# KiCad board driver.kicad_pcb (continued)
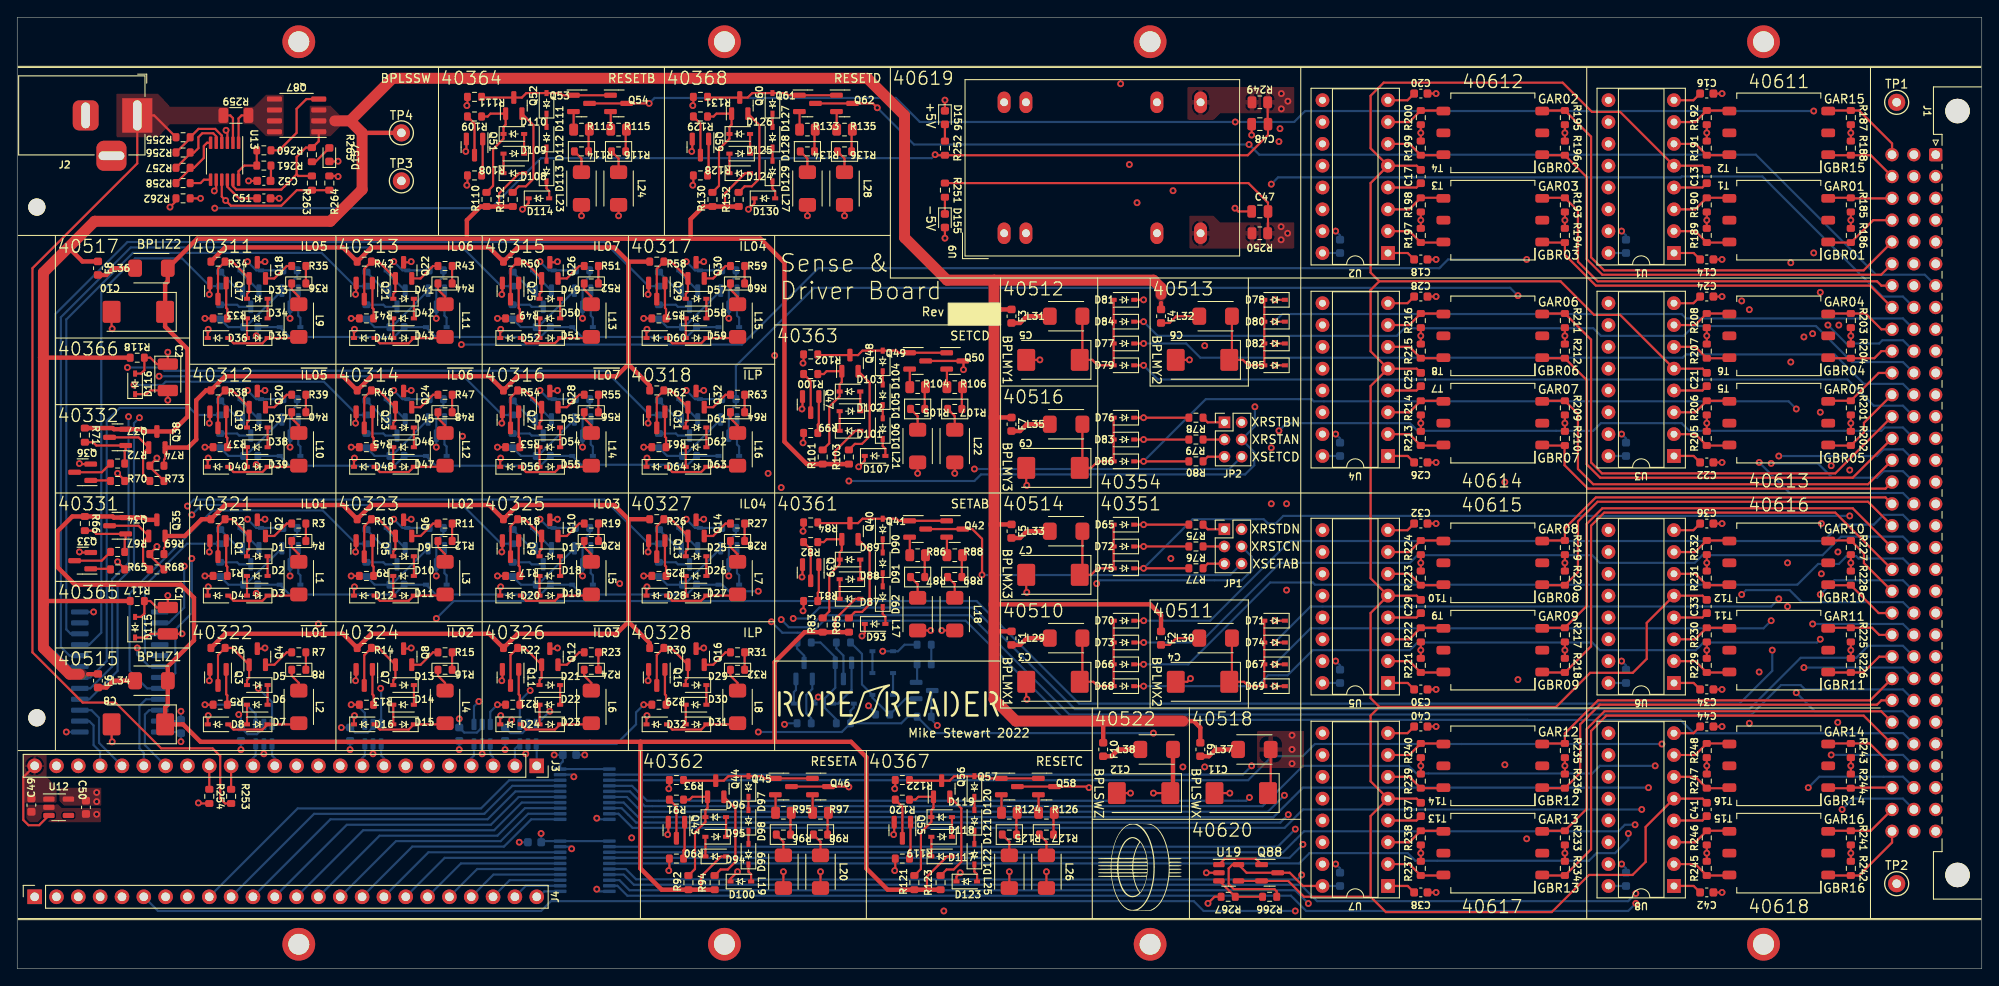
[diagram p0: board, top side]
## Placement (name value [footprint] x y rotation side) (continued)
R39  4.7  [R_0603_1608Metric]  32.77 66.8 0 top
R40  1.8  [R_0603_1608Metric]  32.77 64.77 180 top
R41  1k  [R_0603_1608Metric]  40.64 75.69 180 top
R42  390  [R_0603_1608Metric]  40.39 82.3 0 top
R43  4.7  [R_0603_1608Metric]  49.78 81.79 0 top
R44  1.8  [R_0603_1608Metric]  49.78 79.76 180 top
R45  1k  [R_0603_1608Metric]  40.64 60.71 180 top
R46  390  [R_0603_1608Metric]  40.39 67.31 0 top
R47  4.7  [R_0603_1608Metric]  49.78 66.8 0 top
R48  1.8  [R_0603_1608Metric]  49.78 64.77 180 top
R49  1k  [R_0603_1608Metric]  57.66 75.69 180 top
R50  390  [R_0603_1608Metric]  57.4 82.3 0 top
R51  4.7  [R_0603_1608Metric]  66.8 81.79 0 top
R52  1.8  [R_0603_1608Metric]  66.8 79.76 180 top
R53  1k  [R_0603_1608Metric]  57.66 60.71 180 top
R54  390  [R_0603_1608Metric]  57.4 67.31 0 top
R55  4.7  [R_0603_1608Metric]  66.8 66.8 0 top
R56  1.8  [R_0603_1608Metric]  66.8 64.77 180 top
R57  1k  [R_0603_1608Metric]  74.68 75.69 180 top
R58  390  [R_0603_1608Metric]  74.42 82.3 0 top
R59  4.7  [R_0603_1608Metric]  83.82 81.79 0 top
R60  1.8  [R_0603_1608Metric]  83.82 79.76 180 top
R61  1k  [R_0603_1608Metric]  74.68 60.71 180 top
R62  390  [R_0603_1608Metric]  74.42 67.31 0 top
R63  4.7  [R_0603_1608Metric]  83.82 66.8 0 top
R64  1.8  [R_0603_1608Metric]  83.82 64.77 180 top
R65  1k  [R_0603_1608Metric]  11.68 46.48 0 top
R66  470  [R_0603_1608Metric]  7.87 51.82 270 top
R67  2k  [R_0603_1608Metric]  11.68 48.51 180 top
R68  750  [R_0603_1608Metric]  16.26 46.48 0 top
R69  2k  [R_0603_1608Metric]  16.26 48.26 180 top
R70  1k  [R_0603_1608Metric]  11.68 56.77 0 top
R71  470  [R_0603_1608Metric]  7.87 62.1 270 top
R72  2k  [R_0603_1608Metric]  11.68 58.8 180 top
R73  750  [R_0603_1608Metric]  16.26 56.77 0 top
R74  2k  [R_0603_1608Metric]  16.26 58.55 180 top
R75  200  [R_0603_1608Metric]  137.16 51.69 180 top
R76  200  [R_0603_1608Metric]  137.16 49.15 180 top
R77  200  [R_0603_1608Metric]  137.16 46.61 180 top
R78  200  [R_0603_1608Metric]  137.16 64.14 180 top
R79  200  [R_0603_1608Metric]  137.16 61.59 180 top
R80  200  [R_0603_1608Metric]  137.16 59.06 180 top
R81  1k  [R_0603_1608Metric]  92.33 42.8 180 top
R82  1k  [R_0603_1608Metric]  92.33 49.66 180 top
R83  5.1k  [R_0603_1608Metric]  93.73 40.01 90 top
R84  5.1k  [R_0603_1608Metric]  92.33 51.94 180 top
R85  27  [R_0603_1608Metric]  96.77 40.01 90 top
R86  9.1  [R_0805_2012Metric]  104.78 48.13 0 top
R87  1.5  [R_0603_1608Metric]  104.78 45.59 180 top
R88  9.1  [R_0805_2012Metric]  109.09 48.13 0 top
R89  1.5  [R_0603_1608Metric]  109.09 45.59 180 top
R90  1k  [R_0603_1608Metric]  76.71 12.83 180 top
R91  1k  [R_0603_1608Metric]  76.71 19.69 180 top
R92  5.1k  [R_0603_1608Metric]  78.1 10.03 90 top
R93  5.1k  [R_0603_1608Metric]  76.71 21.97 180 top
R94  27  [R_0603_1608Metric]  81.15 10.03 90 top
R95  9.1  [R_0805_2012Metric]  89.15 18.16 0 top
R96  1.5  [R_0603_1608Metric]  89.15 15.62 180 top
R97  9.1  [R_0805_2012Metric]  93.47 18.16 0 top
R98  1.5  [R_0603_1608Metric]  93.47 15.62 180 top
R99  1k  [R_0603_1608Metric]  92.33 62.36 180 top
R100  1k  [R_0603_1608Metric]  92.33 69.22 180 top
R101  5.1k  [R_0603_1608Metric]  93.73 59.56 90 top
R102  5.1k  [R_0603_1608Metric]  92.33 71.5 180 top
R103  27  [R_0603_1608Metric]  96.77 59.56 90 top
R104  9.1  [R_0805_2012Metric]  104.78 67.69 0 top
R105  1.5  [R_0603_1608Metric]  104.78 65.15 180 top
R106  9.1  [R_0805_2012Metric]  109.09 67.69 0 top
R107  1.5  [R_0603_1608Metric]  109.09 65.15 180 top
R108  1k  [R_0603_1608Metric]  53.21 92.33 180 top
R109  1k  [R_0603_1608Metric]  53.21 99.19 180 top
R110  5.1k  [R_0603_1608Metric]  54.61 89.53 90 top
R111  5.1k  [R_0603_1608Metric]  53.21 101.47 180 top
R112  27  [R_0603_1608Metric]  57.66 89.53 90 top
R113  9.1  [R_0805_2012Metric]  65.66 97.66 0 top
R114  1.5  [R_0603_1608Metric]  65.66 95.12 180 top
R115  9.1  [R_0805_2012Metric]  69.98 97.66 0 top
R116  1.5  [R_0603_1608Metric]  69.98 95.12 180 top
R117  3k  [R_0603_1608Metric]  13.97 42.8 180 top
R118  3k  [R_0603_1608Metric]  13.97 71.12 180 top
R119  1k  [R_0603_1608Metric]  103 12.83 180 top
R120  1k  [R_0603_1608Metric]  103 19.69 180 top
R121  5.1k  [R_0603_1608Metric]  104.39 10.03 90 top
R122  5.1k  [R_0603_1608Metric]  103 21.97 180 top
R123  27  [R_0603_1608Metric]  107.44 10.03 90 top
R124  9.1  [R_0805_2012Metric]  115.44 18.16 0 top
R125  1.5  [R_0603_1608Metric]  115.44 15.62 180 top
R126  9.1  [R_0805_2012Metric]  119.76 18.16 0 top
R127  1.5  [R_0603_1608Metric]  119.76 15.62 180 top
R128  1k  [R_0603_1608Metric]  79.5 92.33 180 top
R129  1k  [R_0603_1608Metric]  79.5 99.19 180 top
R130  5.1k  [R_0603_1608Metric]  80.9 89.53 90 top
R131  5.1k  [R_0603_1608Metric]  79.5 101.47 180 top
R132  27  [R_0603_1608Metric]  83.95 89.53 90 top
R133  9.1  [R_0805_2012Metric]  91.95 97.66 0 top
R134  1.5  [R_0603_1608Metric]  91.95 95.12 180 top
R135  9.1  [R_0805_2012Metric]  96.27 97.66 0 top
R136  1.5  [R_0603_1608Metric]  96.27 95.12 180 top
R137  1k  [R_0603_1608Metric]  23.62 80.26 270 bottom
R138  5.1k  [R_0603_1608Metric]  27.18 74.68 180 bottom
R139  2k  [R_0603_1608Metric]  23.62 76.45 90 bottom
R140  3k  [R_0603_1608Metric]  31.75 81.28 180 bottom
R141  1k  [R_0603_1608Metric]  40.64 80.26 270 bottom
R142  5.1k  [R_0603_1608Metric]  44.2 74.68 180 bottom
R143  2k  [R_0603_1608Metric]  40.64 76.45 90 bottom
R144  3k  [R_0603_1608Metric]  48.77 81.28 180 bottom
R145  1k  [R_0603_1608Metric]  57.66 80.26 270 bottom
R146  5.1k  [R_0603_1608Metric]  61.21 74.68 180 bottom
R147  2k  [R_0603_1608Metric]  57.66 76.45 90 bottom
R148  3k  [R_0603_1608Metric]  65.79 81.28 180 bottom
R149  1k  [R_0603_1608Metric]  74.68 80.26 270 bottom
R150  5.1k  [R_0603_1608Metric]  78.23 74.68 180 bottom
R151  2k  [R_0603_1608Metric]  74.68 76.45 90 bottom
R152  3k  [R_0603_1608Metric]  82.8 81.28 180 bottom
R153  1k  [R_0603_1608Metric]  23.62 65.28 270 bottom
R154  5.1k  [R_0603_1608Metric]  27.18 59.69 180 bottom
R155  2k  [R_0603_1608Metric]  23.62 61.47 90 bottom
R156  3k  [R_0603_1608Metric]  31.75 66.29 180 bottom
R157  1k  [R_0603_1608Metric]  40.64 65.28 270 bottom
R158  5.1k  [R_0603_1608Metric]  44.2 59.69 180 bottom
R159  2k  [R_0603_1608Metric]  40.64 61.47 90 bottom
R160  3k  [R_0603_1608Metric]  48.77 66.29 180 bottom
R161  1k  [R_0603_1608Metric]  57.66 65.28 270 bottom
R162  5.1k  [R_0603_1608Metric]  61.21 59.69 180 bottom
R163  2k  [R_0603_1608Metric]  57.66 61.47 90 bottom
R164  3k  [R_0603_1608Metric]  65.79 66.29 180 bottom
R165  1k  [R_0603_1608Metric]  74.68 65.28 270 bottom
R166  5.1k  [R_0603_1608Metric]  78.23 59.69 180 bottom
R167  2k  [R_0603_1608Metric]  74.68 61.47 90 bottom
R168  3k  [R_0603_1608Metric]  82.8 66.29 180 bottom
R169  1k  [R_0603_1608Metric]  23.62 50.29 270 bottom
R170  5.1k  [R_0603_1608Metric]  27.18 44.7 180 bottom
R171  2k  [R_0603_1608Metric]  23.62 46.48 90 bottom
R172  3k  [R_0603_1608Metric]  31.75 51.31 180 bottom
R173  1k  [R_0603_1608Metric]  40.64 50.29 270 bottom
R174  5.1k  [R_0603_1608Metric]  44.2 44.7 180 bottom
R175  2k  [R_0603_1608Metric]  40.64 46.48 90 bottom
R176  3k  [R_0603_1608Metric]  48.77 51.31 180 bottom
R177  1k  [R_0603_1608Metric]  57.66 50.29 270 bottom
R178  5.1k  [R_0603_1608Metric]  61.21 44.7 180 bottom
R179  2k  [R_0603_1608Metric]  57.66 46.48 90 bottom
R180  3k  [R_0603_1608Metric]  65.79 51.31 180 bottom
R181  1k  [R_0603_1608Metric]  74.68 50.29 270 bottom
R182  5.1k  [R_0603_1608Metric]  78.23 44.7 180 bottom
R183  2k  [R_0603_1608Metric]  74.68 46.48 90 bottom
R184  3k  [R_0603_1608Metric]  82.8 51.31 180 bottom
R185  2.7k  [R_0603_1608Metric]  213.36 88.9 270 top
R186  2.7k  [R_0603_1608Metric]  213.36 85.34 270 top
R187  2.7k  [R_0603_1608Metric]  213.36 99.06 270 top
R188  2.7k  [R_0603_1608Metric]  213.36 95.5 270 top
R189  100  [R_0603_1608Metric]  196.6 85.34 90 top
R190  100  [R_0603_1608Metric]  196.6 88.9 90 top
R191  100  [R_0603_1608Metric]  196.6 95.5 90 top
R192  100  [R_0603_1608Metric]  196.6 99.06 90 top
R193  2.7k  [R_0603_1608Metric]  180.09 88.9 270 top
R194  2.7k  [R_0603_1608Metric]  180.09 85.34 270 top
R195  2.7k  [R_0603_1608Metric]  180.09 99.06 270 top
R196  2.7k  [R_0603_1608Metric]  180.09 95.5 270 top
R197  100  [R_0603_1608Metric]  163.32 85.34 90 top
R198  100  [R_0603_1608Metric]  163.32 88.9 90 top
R199  100  [R_0603_1608Metric]  163.32 95.5 90 top
R200  100  [R_0603_1608Metric]  163.32 99.06 90 top
R201  2.7k  [R_0603_1608Metric]  213.36 65.28 270 top
R202  2.7k  [R_0603_1608Metric]  213.36 61.72 270 top
R203  2.7k  [R_0603_1608Metric]  213.36 75.44 270 top
R204  2.7k  [R_0603_1608Metric]  213.36 71.88 270 top
R205  100  [R_0603_1608Metric]  196.6 61.72 90 top
R206  100  [R_0603_1608Metric]  196.6 65.28 90 top
R207  100  [R_0603_1608Metric]  196.6 71.88 90 top
R208  100  [R_0603_1608Metric]  196.6 75.44 90 top
R209  2.7k  [R_0603_1608Metric]  180.09 65.28 270 top
R210  2.7k  [R_0603_1608Metric]  180.09 61.72 270 top
R211  2.7k  [R_0603_1608Metric]  180.09 75.44 270 top
R212  2.7k  [R_0603_1608Metric]  180.09 71.88 270 top
R213  100  [R_0603_1608Metric]  163.32 61.72 90 top
R214  100  [R_0603_1608Metric]  163.32 65.28 90 top
R215  100  [R_0603_1608Metric]  163.32 71.88 90 top
R216  100  [R_0603_1608Metric]  163.32 75.44 90 top
R217  2.7k  [R_0603_1608Metric]  180.09 38.86 270 top
R218  2.7k  [R_0603_1608Metric]  180.09 35.31 270 top
R219  2.7k  [R_0603_1608Metric]  180.09 49.02 270 top
R220  2.7k  [R_0603_1608Metric]  180.09 45.47 270 top
R221  100  [R_0603_1608Metric]  163.32 35.31 90 top
R222  100  [R_0603_1608Metric]  163.32 38.86 90 top
R223  100  [R_0603_1608Metric]  163.32 45.47 90 top
R224  100  [R_0603_1608Metric]  163.32 49.02 90 top
R225  2.7k  [R_0603_1608Metric]  213.36 38.86 270 top
R226  2.7k  [R_0603_1608Metric]  213.36 35.31 270 top
R227  2.7k  [R_0603_1608Metric]  213.36 49.02 270 top
R228  2.7k  [R_0603_1608Metric]  213.36 45.47 270 top
R229  100  [R_0603_1608Metric]  196.6 35.31 90 top
R230  100  [R_0603_1608Metric]  196.6 38.86 90 top
R231  100  [R_0603_1608Metric]  196.6 45.47 90 top
R232  100  [R_0603_1608Metric]  196.6 49.02 90 top
R233  2.7k  [R_0603_1608Metric]  180.09 15.24 270 top
R234  2.7k  [R_0603_1608Metric]  180.09 11.68 270 top
R235  2.7k  [R_0603_1608Metric]  180.09 25.4 270 top
R236  2.7k  [R_0603_1608Metric]  180.09 21.84 270 top
R237  100  [R_0603_1608Metric]  163.32 11.68 90 top
R238  100  [R_0603_1608Metric]  163.32 15.24 90 top
R239  100  [R_0603_1608Metric]  163.32 21.84 90 top
R240  100  [R_0603_1608Metric]  163.32 25.4 90 top
R241  2.7k  [R_0603_1608Metric]  213.36 15.24 270 top
R242  2.7k  [R_0603_1608Metric]  213.36 11.68 270 top
R243  2.7k  [R_0603_1608Metric]  213.36 25.4 270 top
R244  2.7k  [R_0603_1608Metric]  213.36 21.84 270 top
R245  100  [R_0603_1608Metric]  196.6 11.68 90 top
R246  100  [R_0603_1608Metric]  196.6 15.24 90 top
R247  100  [R_0603_1608Metric]  196.6 21.84 90 top
R248  100  [R_0603_1608Metric]  196.6 25.4 90 top
R249  0  [R_0805_2012Metric]  144.59 100.84 180 top
R250  0  [R_0805_2012Metric]  144.59 85.6 180 top
R251  2k  [R_0603_1608Metric]  107.95 90.62 270 top
R252  2k  [R_0603_1608Metric]  107.95 95.5 90 top
R253  12k  [R_0603_1608Metric]  24.89 20.07 270 top
R254  2.4k  [R_0603_1608Metric]  22.35 20.07 270 top
R255  1020k  [R_0603_1608Metric]  19.3 96.77 180 top
R256  2.87k  [R_0603_1608Metric]  19.3 95 180 top
R257  9.76k  [R_0603_1608Metric]  19.3 93.22 180 top
R258  54.9k  [R_0603_1608Metric]  19.3 91.44 180 top
R259  0.025  [R_1206_3216Metric]  25.45 99.31 180 top
R260  10  [R_0603_1608Metric]  28.7 95.25 180 top
R261  1k  [R_0603_1608Metric]  28.7 93.47 180 top
R262  10k  [R_0603_1608Metric]  19.3 89.66 180 top
R263  10k  [R_0603_1608Metric]  34.29 91.44 270 top
R264  2.7k  [R_0603_1608Metric]  36.32 91.44 90 top
R265  1k  [R_0603_1608Metric]  34.29 94.74 270 top
R266  1k  [R_0603_1608Metric]  145.73 8.38 180 top
R267  7.5  [R_0603_1608Metric]  140.91 8.38 180 top
R268  1k  [R_0603_1608Metric]  91.57 28.58 180 bottom
R269  5.1k  [R_0603_1608Metric]  96.14 28.58 180 bottom
R270  5.1k  [R_0603_1608Metric]  91.57 37.97 180 bottom
R271  680  [R_0603_1608Metric]  96.14 37.97 0 bottom
R272  5.1k  [R_0603_1608Metric]  100.71 29.59 180 bottom
R273  3k  [R_0603_1608Metric]  105.54 29.34 0 bottom
R274  10  [R_0603_1608Metric]  105.54 35.43 0 bottom
R275  1.5  [R_0603_1608Metric]  105.54 37.72 180 bottom
T1  1:1  [Transformer_Murata_786J]  204.98 87.12 180 top
T2  1:1  [Transformer_Murata_786J]  204.98 97.28 180 top
T3  1:1  [Transformer_Murata_786J]  171.7 87.12 180 top
T4  1:1  [Transformer_Murata_786J]  171.7 97.28 180 top
T5  1:1  [Transformer_Murata_786J]  204.98 63.5 180 top
T6  1:1  [Transformer_Murata_786J]  204.98 73.66 180 top
T7  1:1  [Transformer_Murata_786J]  171.7 63.5 180 top
T8  1:1  [Transformer_Murata_786J]  171.7 73.66 180 top
T9  1:1  [Transformer_Murata_786J]  171.7 37.08 180 top
T10  1:1  [Transformer_Murata_786J]  171.7 47.24 180 top
T11  1:1  [Transformer_Murata_786J]  204.98 37.08 180 top
T12  1:1  [Transformer_Murata_786J]  204.98 47.24 180 top
T13  1:1  [Transformer_Murata_786J]  171.7 13.46 180 top
T14  1:1  [Transformer_Murata_786J]  171.7 23.62 180 top
T15  1:1  [Transformer_Murata_786J]  204.98 13.46 180 top
T16  1:1  [Transformer_Murata_786J]  204.98 23.62 180 top
TP1  TestPoint  [TestPoint_Keystone_5000-5004_Miniature]  218.69 100.84 0 top
TP2  TestPoint  [TestPoint_Keystone_5000-5004_Miniature]  218.69 9.91 0 top
TP3  TestPoint  [TestPoint_Keystone_5000-5004_Miniature]  44.7 91.69 0 top
TP4  TestPoint  [TestPoint_Keystone_5000-5004_Miniature]  44.7 97.28 0 top
U1  SN7524  [DIP-16_W7.62mm_Socket]  192.78 83.3 180 top
U2  SN7524  [DIP-16_W7.62mm_Socket]  159.5 83.3 180 top
U3  SN7524  [DIP-16_W7.62mm_Socket]  192.78 59.68 180 top
U4  SN7524  [DIP-16_W7.62mm_Socket]  159.5 59.68 180 top
U5  SN7524  [DIP-16_W7.62mm_Socket]  159.5 33.26 180 top
U6  SN7524  [DIP-16_W7.62mm_Socket]  192.78 33.26 180 top
U7  SN7524  [DIP-16_W7.62mm_Socket]  159.5 9.64 180 top
U8  SN7524  [DIP-16_W7.62mm_Socket]  192.78 9.64 180 top
U9  TEN 5-1221‎  [Converter_DCDC_XP_POWER_JTExxxxDxx_THT]  114.84 85.6 90 top
U10  74LVC245  [TSSOP-20_4.4x6.5mm_P0.65mm]  66.04 11.94 180 bottom
U11  74LVC245  [TSSOP-20_4.4x6.5mm_P0.65mm]  66.04 20.32 180 bottom
U12  ADP151-3.3  [TSOT-23-5]  4.83 18.8 0 top
U13  LTC4231-1  [MSOP-12_3x4mm_P0.65mm]  24.13 93.98 270 top
U14  74HC4514  [SOIC-24W_7.5x15.4mm_P1.27mm]  11.94 34.54 0 bottom
U15  74LVC2G04  [SOT-23-6]  28.7 27.31 90 bottom
U16  74LVC2G04  [SOT-23-6]  41.4 27.31 90 bottom
U17  74LVC2G04  [SOT-23-6]  54.1 27.31 90 bottom
U18  74LVC2G04  [SOT-23-6]  59.44 27.31 90 bottom
U19  AD8505  [SOT-23-5]  140.97 11.18 0 top

## Library data of the parts
C1 C2 = -: Description: CAP TANT 1UF 10% 35V 1411; Digikey: https://www.digikey.com/en/products/detail/kemet/T495B105K035ATE1K5/9460136; ESR: 1.5; MPN: T495B105K035ATE1K5; Manufacturer: KEMET; Package: 1411; Part Number: T495B105K035ATE1K5; Rating: 35V; Tolerance: 10%
C3-C12 = -: Description: CAP TANT 6.8UF 10% 35V 2917; Digikey: https://www.digikey.com/en/products/detail/kemet/T495D685K035ATE300/4309257; ESR: 0.3; MPN: T495D685K035ATE300; Manufacturer: KEMET; Package: 2917; Part Number: T495D685K035ATE300; Rating: 35V; Tolerance: 10%
C13 C17 C21 C25 C29 C33 C37 C41 C52 = -: Description: CAP CER 10000PF 100V X7R 0603; Digikey: https://www.digikey.com/en/products/detail/samsung-electro-mechanics/CL10B103KC8NNNC/3886854; MPN: CL10B103KC8NNNC; Manufacturer: Samsung Electro-Mechanics; Package: 0603; Part Number: CL10B103KC8NNNC; Rating: 100V; Tolerance: 10%
C14 C18 C22 C26 C30 C34 C38 C42 = -: Description: CAP CER 100PF 50V X7R 0603; Digikey: https://www.digikey.com/en/products/detail/samsung-electro-mechanics/CL10B101KB8NFNC/3887566; MPN: CL10B101KB8NFNC; Manufacturer: Samsung Electro-Mechanics; Package: 0603; Part Number: CL10B101KB8NFNC; Rating: 50V; Tolerance: 10%
C15 C16 C19 C20 C23 C24 C27 C28 C31 C32 C35 C36 C39 C40 C43 C44 = -: Description: CAP CER 10000PF 100V X7R 0603; MPN: CL10B103KC8NNNC; Manufacturer: Samsung Electro-Mechanics; Package: 0603; Rating: 100V; Tolerance: 10%
C45 C46 C53-C57 = -: Description: CAP CER 0.1UF 50V X7R 0603; MPN: CL10B104KB8NNWC; Manufacturer: Samsung Electro-Mechanics; Package: 0603; Rating: 50V; Tolerance: 10%
C47 C48 = -: Description: CAP CER 1UF 25V X7R 0805; MPN: CL21B105KAFNNNE; Manufacturer: Samsung Electro-Mechanics; Package: 0805; Rating: 25V; Tolerance: 10%
C49 C50 = -: Description: CAP CER 1UF 25V X7R 0603; MPN: CL10B105KA8NNNC; Manufacturer: Samsung Electro-Mechanics; Package: 0603; Rating: 25V; Tolerance: 10%
C51 = -: Description: CAP CER 100PF 50V X7R 0603; MPN: CL10B101KB8NFNC; Manufacturer: Samsung Electro-Mechanics; Package: 0603; Rating: 50V; Tolerance: 10%
D1-D154 D158-D162 = -: Description: DIODE GEN PURP 75V 300MA SOD323; Digikey: https://www.digikey.com/en/products/detail/smc-diode-solutions/1N4148WSTR/6022449; MPN: 1N4148WS; Manufacturer: SMC Diode Solutions; Package: SOD-323; Part Number: 1N4148WSTR; Rating: 300mA
D155 = -: Description: LED BLUE DIFFUSED 0603 SMD; Digikey: https://www.digikey.com/en/products/detail/rohm-semiconductor/SMLD12BN1WT86/9826162?s=N4IgTCBcDaIMoFkAyARAjGAQgOTQdRAF0BfIA; MPN: SMLD12BN1WT86; Manufacturer: Rohm Semiconductor; Package: 0603; Part Number: SMLD12BN1WT86
D156 = -: Description: LED BLUE-GREEN DIFFUSED 0603 SMD; Digikey: https://www.digikey.com/en/products/detail/rohm-semiconductor/SMLD12E3N1WT86/9826161?s=N4IgjCBcpgbFoDGUBmBDANgZwKYBoQB7KAbRAGYBOAJgBZ4BdAgBwBcoQBlVgJwEsAdgHMQAXwLkA7AhDJI6bPiKkK1AAyww0piDYdu-YWIKxKMuQtwFikMrTWUq5EDr2QuvQSPEgAtNXMoXgBXJRsyAFYXURigA; MPN: SMLD12E3N1WT86; Manufacturer: Rohm Semiconductor; Package: 0603; Part Number: SMLD12E3N1WT86
D157 = -: Description: LED ORANGE 0603 SMD; Digikey: https://www.digikey.com/en/products/detail/stanley-electric-co/SJW1151CKS-100-TR/8544257?s=N4IgjCBcpgbFoDGUBmBDANgZwKYBoQB7KAbRAGYBOAJgBZ4BdAgBwBcoQBlVgJwEsAdgHMQAXwIBWahIQhkkdNnxFSFABzVyE2iCYg2Hbv2FiCAWmqz5vAK7LikMjIajXQA; MPN: SJW1151CKS-100-TR; Manufacturer: Stanley Electric Co; Package: 0603; Part Number: SJW1151CKS-100-TR
F1-F10 = -: Description: FUSE BOARD MOUNT 250MA 32VAC/VDC; MPN: 0467.250NR; Manufacturer: Littelfuse Inc; Package: 0603
H1-H10 = -: MPN: -
J1 = -: Description: CONN DIN HDR 96POS PCB RA GOLD; MPN: 86093967113755ELF; Manufacturer: Amphenol ICC (FCI); Notes: DNP
J2 = -: Description: CONN PWR JACK 2X5.5MM SOLDER; Digikey: https://www.digikey.com/en/products/detail/PJ-002A/CP-002A-ND/96962; MPN: PJ-002A; Manufacturer: CUI Devices; Package: TH; Part Number: PJ-002A
J3 J4 = -: Description: CONN HDR 24POS 0.1 GOLD PCB; MPN: PPPC241LFBN-RC; Manufacturer: Sullins Connector Solutions; Package: TH
JP1 JP2 = -: Description: CONN HEADER VERT 6POS 2MM; MPN: M22-2520305; Manufacturer: Harwin Inc; Package: TH
L1-L16 = -: Description: FIXED IND 2.2UH 535MA 700MOHM SM; DCR: 0.7; Digikey: https://www.digikey.com/en/products/detail/api-delevan-inc/1812R-222J/1115305; MPN: 1812R-222J; Manufacturer: API Delevan Inc; Package: 1812; Part Number: 1812R-222J; Rating: 535mA; Tolerance: 5%
L17-L28 = -: Description: FIXED IND 3.9UH 472MA 900MOHM SM; DCR: 0.9; Digikey: https://www.digikey.com/en/products/detail/api-delevan-inc/1812R-392J/1115314; MPN: 1812R-392J; Manufacturer: API Delevan Inc; Package: 1812; Part Number: 1812R-392J; Rating: 472mA; Tolerance: 5%
L29-L38 = -: Description: FIXED IND 8.2UH 375MA 1.4OHM SMD; DCR: 1.40; Digikey: https://www.digikey.com/en/products/detail/api-delevan-inc/1812R-822J/1115322; MPN: 1812R-822J; Manufacturer: API Delevan Inc; Package: 1812; Part Number: 1812R-822J; Rating: 375mA; Tolerance: 5%
Q1-Q33 Q35 Q36 Q38 Q39 Q41-Q43 Q45-Q47 Q49-Q51 Q53-Q55 Q57-Q59 Q61-Q63 Q65 Q67 Q69 Q71 Q73 Q75 Q77 Q79 Q81 Q83 Q85 Q88 Q89 Q91 = -: Description: TRANS NPN 40V 0.6A SOT-23; Digikey: https://www.digikey.com/en/products/detail/MMBT2222A-G/641-1942-1-ND/9477875; MPN: MMBT2222ALT1HTSA1; Manufacturer: Infineon Technologies; Package: SOT-23-3; Part Number: MMBT2222A-G
Q34 Q37 Q40 Q44 Q48 Q52 Q56 Q60 Q64 Q66 Q68 Q70 Q72 Q74 Q76 Q78 Q80 Q82 Q84 Q86 Q90 = -: Description: TRANS PNP 60V 0.6A SOT23; Digikey: https://www.digikey.com/en/products/detail/MMBT2907A-G/641-1952-1-ND/9477883; MPN: MMBT2907ALT1HTSA1; Manufacturer: Infineon Technologies; Package: SOT-23-3; Part Number: MMBT2907A-G
Q87 = -: Description: MOSFET N-CH 30V 13A 8SO; Digikey: https://www.digikey.com/en/products/detail/infineon-technologies/IRF7413ZTRPBF/812705; MPN: IRF7413ZTRPBF; Manufacturer: Infineon Technologies; Package: 8-SOIC
R1 R5 R9 R13 R17 R21 R25 R29 R33 R37 R41 R45 R49 R53 R57 R61 R65 R70 R81 R82 R90 R91 R99 R100 R108 R109 R119 R120 R128 R129 R137 R141 R145 R149 R153 R157 R161 R165 R169 R173 R177 R181 R261 R265 R268 = -: Description: RES SMD 1K OHM PULSE-WITHSTANDING 1% 1/4W 0603; MPN: ESR03EZPF1001; Manufacturer: Rohm Semiconductor; Package: 0603; Rating: 1/4W; Tolerance: 1%
R2 R6 R10 R14 R18 R22 R26 R30 R34 R38 R42 R46 R50 R54 R58 R62 = -: Description: RES SMD 390 OHM PULSE-WITHSTANDING 1% 1/3W 0603; MPN: ERJ-PA3F3900V; Manufacturer: Panasonic Electronic Components; Package: 0603; Rating: 1/3W; Tolerance: 1%
R3 R7 R11 R15 R19 R23 R27 R31 R35 R39 R43 R47 R51 R55 R59 R63 = -: Description: RES SMD 4.7 OHM PULSE-WITHSTANDING 1% 1/3W 0603; MPN: CRCW06034R70FKEAHP; Manufacturer: Vishay Dale; Package: 0603; Rating: 1/3W; Tolerance: 1%
R4 R8 R12 R16 R20 R24 R28 R32 R36 R40 R44 R48 R52 R56 R60 R64 = -: Description: RES SMD 1.8 OHM PULSE-WITHSTANDING 1% 0.3W 0603; MPN: SDR03EZPF1R80; Manufacturer: Rohm Semiconductor; Package: 0603; Rating: 0.3W; Tolerance: 1%
R66 R71 = -: Description: RES 470 OHM 1% 1/10W 0603; MPN: RMCF0603FT470R; Manufacturer: Stackpole Electronics Inc; Package: 0603; Rating: 1/10W; Tolerance: 1%
R67 R69 R72 R74 R139 R143 R147 R151 R155 R159 R163 R167 R171 R175 R179 R183 R251 R252 = -: Description: RES SMD 2K OHM PULSE-WITHSTANDING 1% 1/3W 0603; MPN: ERJ-PA3F2001V; Manufacturer: Panasonic Electronic Components; Package: 0603; Rating: 1/3W; Tolerance: 1%
R68 R73 = -: Description: RES 750 OHM 1% 1/10W 0603; MPN: RMCF0603FT750R; Manufacturer: Stackpole Electronics Inc; Package: 0603; Rating: 1/10W; Tolerance: 1%
R75-R80 = -: Description: RES SMD 200 OHM PULSE-WITHSTANDING 1% 1/3W 0603; MPN: ERJ-PA3F2000V; Manufacturer: Panasonic Electronic Components; Package: 0603; Rating: 1/3W; Tolerance: 1%
R83 R84 R92 R93 R101 R102 R110 R111 R121 R122 R130 R131 R138 R142 R146 R150 R154 R158 R162 R166 R170 R174 R178 R182 R269 R270 R272 = -: Description: RES 5.1K OHM PULSE-WITHSTANDING 1% 1/4W 0603; MPN: ERJ-UP3F5101V; Manufacturer: Panasonic Electronic Components; Package: 0603; Rating: 1/4W; Tolerance: 1%
R85 R94 R103 R112 R123 R132 = -: Description: RES SMD 27 OHM PULSE-WITHSTANDING 1% 1/3W 0603; MPN: ERJ-PA3F27R0V; Manufacturer: Panasonic Electronic Components; Package: 0603; Rating: 1/3W; Tolerance: 1%
R86 R88 R95 R97 R104 R106 R113 R115 R124 R126 R133 R135 = -: Description: RES SMD 9.1 OHM PULSE-WITHSTANDING 1% 0.4W 0805; MPN: ESR10EZPF9R10; Manufacturer: Rohm Semiconductor; Package: 0805; Rating: 2/5W; Tolerance: 1%
R87 R89 R96 R98 R105 R107 R114 R116 R125 R127 R134 R136 R275 = -: Description: RES SMD 1.5 OHM PULSE-WITHSTANDING  1% 1/4W 0603; MPN: RCS06031R50FKEA; Manufacturer: Vishay Dale; Package: 0603; Rating: 1/4W; Tolerance: 1%
R117 R118 = -: Description: RES SMD 3K OHM PULSE-WITHSTANDING 1% 1/3W 0603; Digikey: https://www.digikey.com/en/products/detail/vishay-dale/RCS06033K00FKEA/5868535; MPN: ERJ-PA3F3001V; Manufacturer: Panasonic Electronic Components; Package: 0603; Part Number: RCS06033K00FKEA; Rating: 1/3W; Tolerance: 1%
R140 R144 R148 R152 R156 R160 R164 R168 R172 R176 R180 R184 R273 = -: Description: RES SMD 3K OHM PULSE-WITHSTANDING 1% 1/3W 0603; MPN: ERJ-PA3F3001V; Manufacturer: Panasonic Electronic Components; Package: 0603; Rating: 1/3W; Tolerance: 1%
R185-R188 R193-R196 R201-R204 R209-R212 R217-R220 R225-R228 R233-R236 R241-R244 = -: Description: RES SMD 2.7K PULSE-WITHSTANDING OHM 0.1% 1/5W 0603; MPN: ERJ-PB3B2701V; Manufacturer: Panasonic Electronic Components; Package: 0603; Rating: 1/5W; Tolerance: 0.1%
R189-R192 R197-R200 R205-R208 R213-R216 R221-R224 R229-R232 R237-R240 R245-R248 = -: Description: RES 100 OHM 0.1% 1/8W 0603; MPN: ERA-3VEB1000V; Manufacturer: Panasonic Electronic Components; Package: 0603; Rating: 1/8W; Tolerance: 0.1%
R249 R250 = -: Description: RES 0 OHM JUMPER 1/8W 0805; MPN: RMCF0805ZT0R00; Manufacturer: Stackpole Electronics Inc; Package: 0805; Rating: 1/8W
R253 = -: Description: RES SMD 12K OHM 0.1% 1/10W 0603; MPN: ERA-3AEB123V; Manufacturer: Panasonic Electronic Components; Package: 0603; Rating: 1/10W; Tolerance: 0.1%
R254 = -: Description: RES SMD 2.4K OHM 0.1% 1/5W 0603; MPN: ERJ-PB3B2401V; Manufacturer: Panasonic Electronic Components; Package: 0603; Rating: 1/5W; Tolerance: 0.1%
R255 = -: Description: RES 1.02M OHM 1% 1/10W 0603; MPN: RMCF0603FT1M02; Manufacturer: Stackpole Electronics Inc; Package: 0603; Rating: 1/10W; Tolerance: 1%
R256 = -: Description: RES 2.87K OHM 1% 1/10W 0603; MPN: RMCF0603FT2K87; Manufacturer: Stackpole Electronics Inc; Package: 0603; Rating: 1/10W; Tolerance: 1%
R257 = -: Description: RES 9.76K OHM 1% 1/10W 0603; MPN: RMCF0603FT9K76; Manufacturer: Stackpole Electronics Inc; Package: 0603; Rating: 1/10W; Tolerance: 1%
R258 = -: Description: RES 54.9K OHM 1% 1/10W 0603; MPN: RMCF0603FT54K9; Manufacturer: Stackpole Electronics Inc; Package: 0603; Rating: 1/10W; Tolerance: 1%
R259 = -: Description: RES 0.025 OHM 1% 1/2W 1206; MPN: CSR1206FK25L0; Manufacturer: Stackpole Electronics Inc; Package: 1206; Rating: 1/2W; Tolerance: 1%
R260 R274 = -: Description: RES SMD 10 OHM PULSE-WITHSTANDING 1% 1/4W 0603; MPN: ESR03EZPF10R0; Manufacturer: Rohm Semiconductor; Package: 0603; Rating: 1/4W; Tolerance: 1%
R262 R263 = -: Description: RES 10K OHM 1% 1/10W 0603; MPN: RMCF0603FT10K0; Manufacturer: Stackpole Electronics Inc; Package: 0603; Rating: 1/10W; Tolerance: 1%
R264 = -: Description: RES 2.7K OHM 5% 1/10W 0603; MPN: RMCF0603JT2K70; Manufacturer: Stackpole Electronics Inc; Package: 0603; Rating: 1/10W; Tolerance: 1%
R266 = -: Description: RES SMD 1K OHM 0.1% 1/10W 0603; MPN: ERA-3ARB102V; Manufacturer: Panasonic Electronic Components; Package: 0603; Rating: 1/10W; Tolerance: 0.1%
R267 = -: Description: RES SMD 7.5 OHM 0.1% 1/16W 0603; MPN: RN73C1J7R5BTD; Manufacturer: TE Connectivity; Package: 0603; Rating: 1/16W; Tolerance: 0.1%
R271 = -: Description: RES SMD 680 OHM PULSE-WITHSTANDING 1% 1/4W 0603; MPN: RCS0603680RFKEA; Manufacturer: Vishay Dale; Package: 0603; Rating: 1/4W; Tolerance: 1%
T1-T16 = -: Description: PULSE XFMR 1CT:1CT 1.7MH; Digikey: https://www.digikey.com/en/products/detail/murata-power-solutions-inc/78615-1JC/5798694; MPN: 78615/1JC; Manufacturer: Murata Power Solutions, Inc; Package: 6 PIN SM; Part Number: 78615/1JC
TP1-TP3 = -: Description: PC TEST POINT MINIATURE BLACK; MPN: 5001; Manufacturer: Keystone Electronics; Package: TH
TP4 = -: Description: PC TEST POINT MINIATURE RED; MPN: 5000; Manufacturer: Keystone Electronics; Package: TH
U1-U8 = -: Description: CONN IC DIP SOCKET 16POS GOLD; MPN: 110-93-316-41-001000; Manufacturer: Mill-Max Manufacturing Corp; Package: 16-DIP
U9 = -: Description: DC DC CONVERTER +/-5V 5W; Manufacturer: Traco Power; Package: 24-DIP
U10 U11 = -: Description: IC TXRX NON-INVERT 3.6V 20TSSOP; Digikey: https://www.digikey.com/en/products/detail/SN74LVC245APWRG4/296-31913-1-ND/3506158; MPN: SN74LVC245APWT; Manufacturer: Texas Instruments; Package: 20-TSSOP; Part Number: SN74LVC245APWRG4
U12 = -: Description: IC REG LINEAR 3.3V 200MA TSOT5; MPN: ADP151AUJZ-3.3-R7; Manufacturer: Analog Devices, Inc; Package: TSOT-23-5
U13 = -: Description: IC HOT SWAP CTRLR GP 12MSOP; Digikey: https://www.digikey.com/en/products/detail/LTC4231CMS-1%23PBF/LTC4231CMS-1%23PBF-ND/4964746; MPN: LTC4231CMS-1#PBF; Manufacturer: Analog Devices, Inc; Package: 12-TSSOP
U14 = -: Description: IC DECODER/DEMUX 1X4:16 24SOIC; Digikey: https://www.digikey.com/en/products/detail/CD74HC4514M96/296-29484-1-ND/2747415; MPN: CD74HC4514M96; Manufacturer: Texas Instruments; Package: 24-SOIC; Part Number: CD74HC4514M96
U15-U18 = -: Description: IC INVERTER 2CH 2-INP SOT23-6; Digikey: https://www.digikey.com/en/products/detail/SN74LVC2G04DBVT/296-26612-1-ND/2255070; MPN: SN74LVC2G04DBVT; Manufacturer: Texas Instruments; Package: SOT-23-6; Part Number: SN74LVC2G04DBVT
U19 = -: Description: IC OPAMP GP 1 CIRCUIT SOT23-5; MPN: AD8505ARJZ-R7; Manufacturer: Analog Devices, Inc; Package: SOT-23-5

## Footprints (pads in the part's own frame, mm; a bottom-side part is the same pattern mirrored in y, then rotated)
API_Delevan_1812R
  rrect 1.6x2 smd: 1(-1.9,0) 2(1.9,0)
BarrelJack_CUI_PJ-002A
  rect 3.5x4 hole 1x3.5: 1(0,0)
  rrect 3x3.5 hole 1x3: 2(-6,0)
  rrect 3.5x3.5 hole 3x1: 3(-3,-4.7)
C_0603_1608Metric
  rrect 0.9x0.95 smd: 1(-0.775,0) 2(0.775,0)
C_0805_2012Metric
  rrect 1x1.45 smd: 1(-0.95,0) 2(0.95,0)
Converter_DCDC_XP_POWER_JTExxxxDxx_THT
  oval 2.5x1.5 hole 0.91: 2(0,0) 3(0,-2.54) 9(0,-17.78) 11(0,-22.86) 14(15.24,-22.86) 16(15.24,-17.78) 22(15.24,-2.54) 23(15.24,0)
